# Altium PCB PROC114E3_BRD.PcbDoc (part 10 of 18)
Units mm, origin at the board's own origin, x right, y up, seen from the top; angles counter-clockwise.
Board outline 85 x 155.18 mm, 10 copper layers (TOP, L02_GND1, L03_SIG1, L04_GND2, L05_PWR1, L06_PWR2, L07_GND3, L08_SIG2, L09_GND4, BOTTOM), stack 1.134 mm thick; 1389 components, 1010 nets, 5137 pads, 3263 vias.
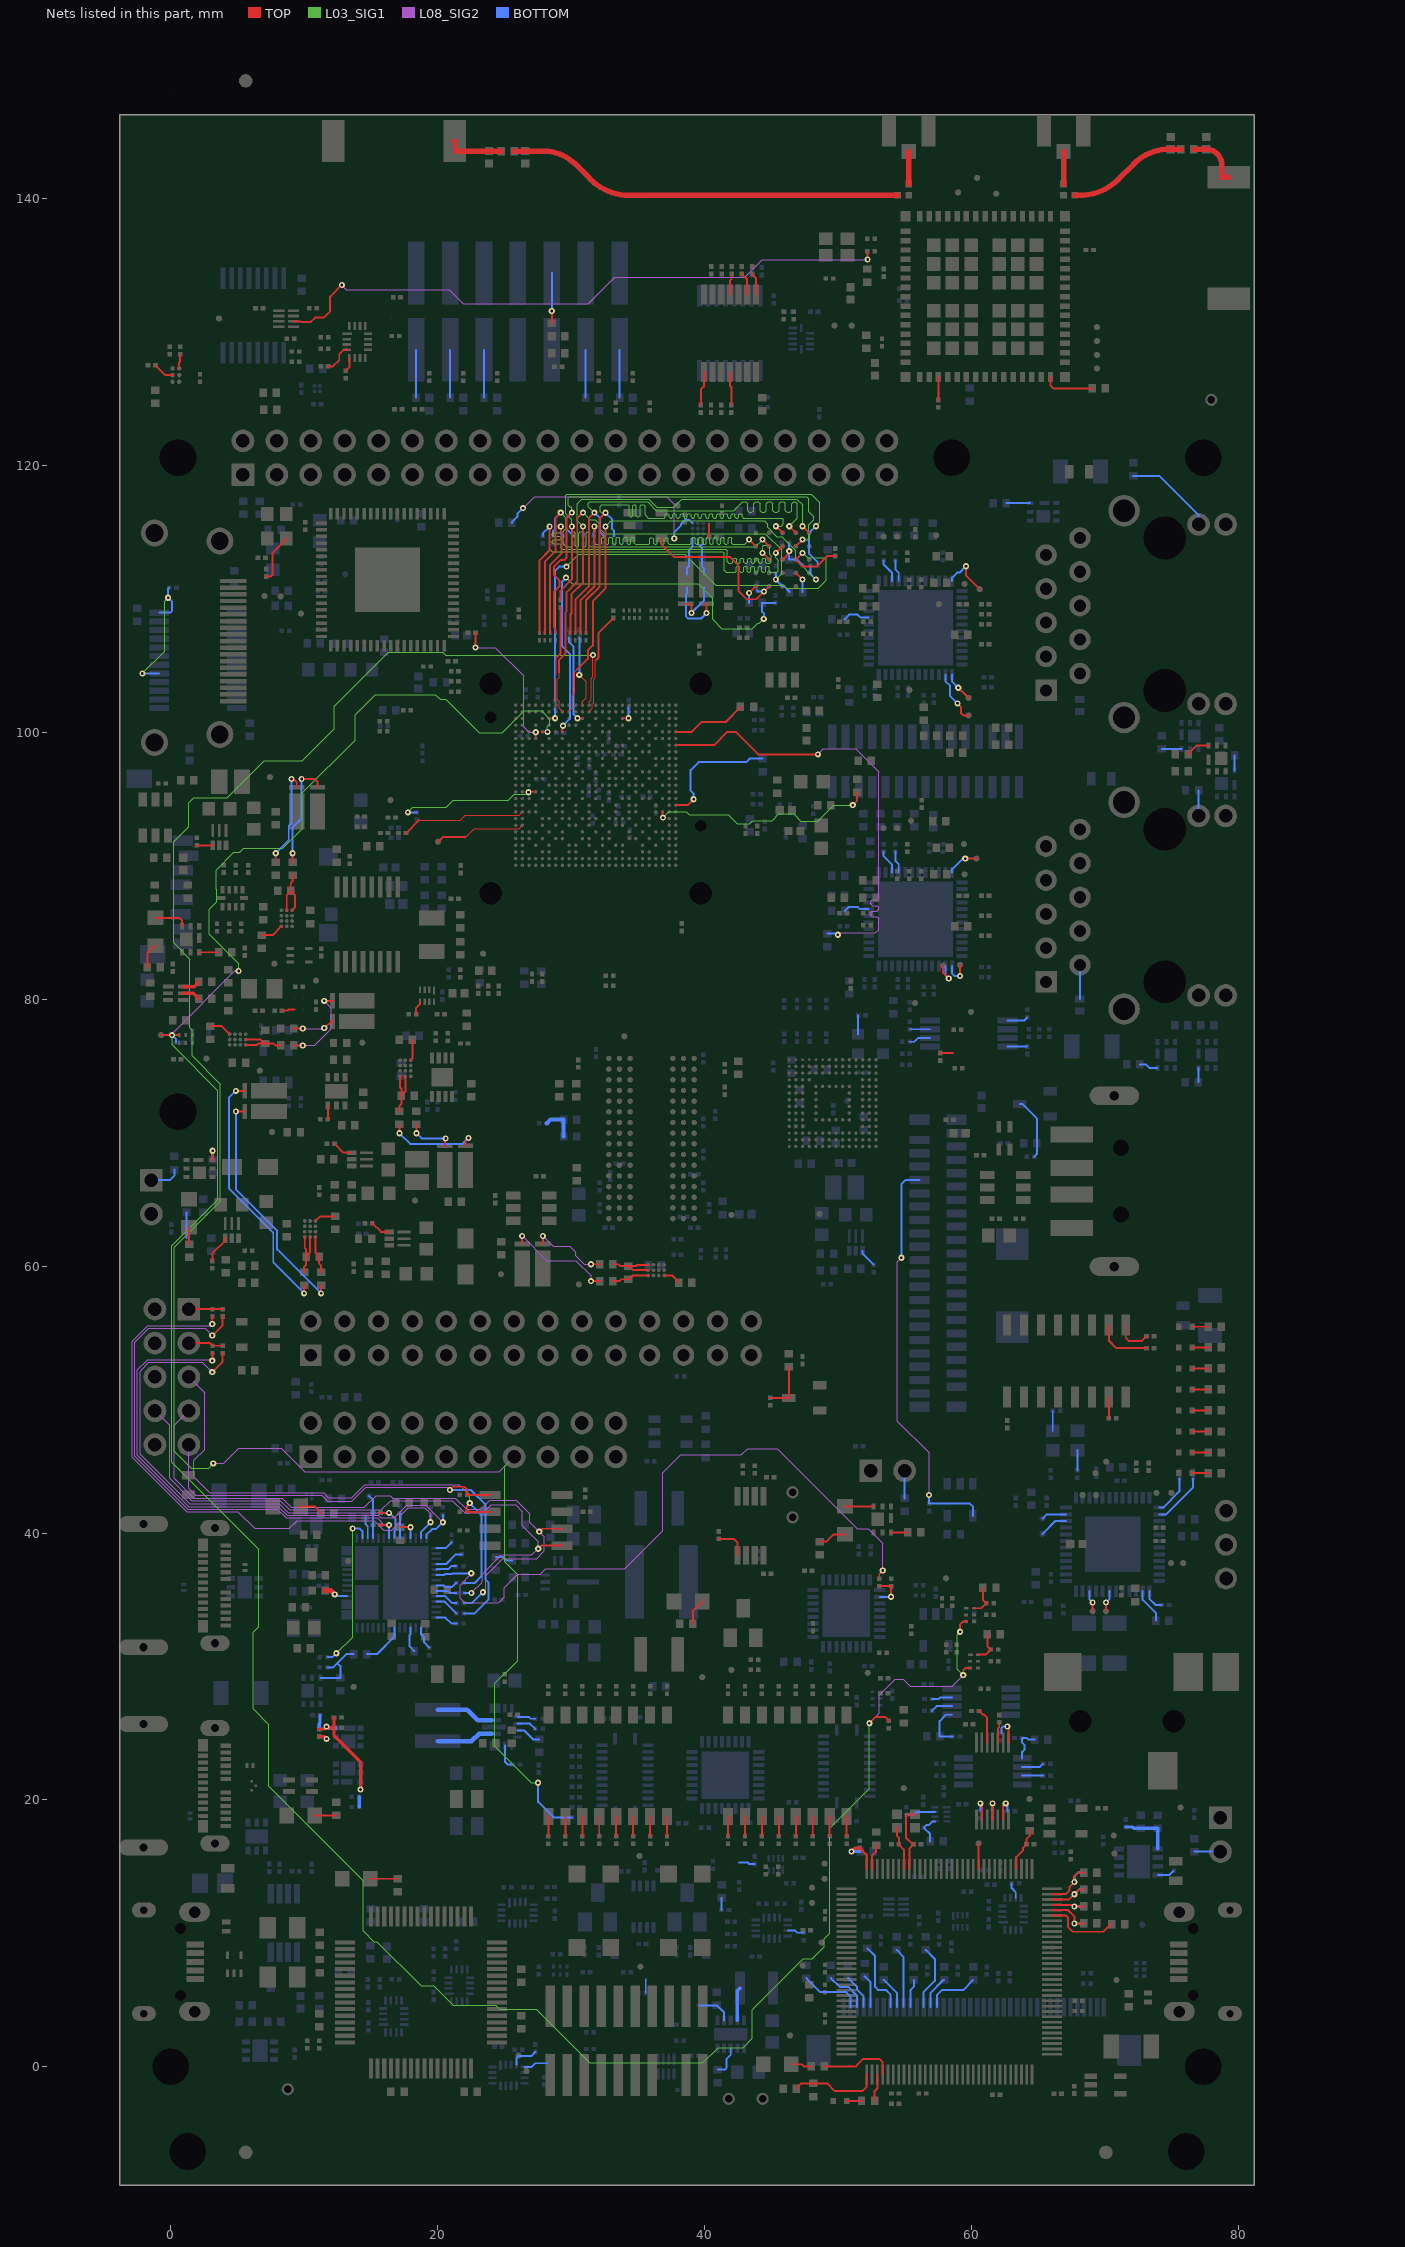
[diagram p18: the nets of this part, all layers, seen from the top]

## Via types
v1: diameter 0.457, hole 0.203, TOP to BOTTOM, 3263 vias

## Nets (pads, with @x,y where several pads share a name; then routed paths per layer and width w, separated by ;. In a path a pad name is that pad's centre, name@x,y a point inside that pad or via, vN(x,y) a via of type N, cw(c..) or ccw(c..) an arc to the next point about the centre after c; other vN are vias at no path point) (continued)
N16929744:  | length 1.6
  TOP w0.147: 70.101,34.137 v1(70.101,34.797)
  BOTTOM w0.147: v1(70.101,34.797) 70.351,35.047 70.351,35.651
N16929747:  | length 1.6
  TOP w0.147: 69.101,34.137 v1(69.101,34.797)
  BOTTOM w0.147: 68.851,35.651 68.851,35.047 v1(69.101,34.797)
N16929749:  | length 1.9
  BOTTOM w0.147: 65.343,41.082 65.662,41.401 67.1,41.401
N16929751:  | length 2.2
  BOTTOM w0.147: 65.343,39.939 66.305,40.902 67.1,40.902
N16931396:  | length 1.6
  TOP w0.147: -1.142,127.529 -0.392,126.779 0.14,126.779
N16931420:  | length 1.1
  TOP w0.147: 0.64,127.278 0.64,127.727 0.711,127.798 0.711,128.341
N16943223:  | length 1.7
  BOTTOM w0.147: 55.382,76.819 55.741,76.819 56.028,77.106 56.922,77.106
N16943354:  | length 1.5
  BOTTOM w0.147: 55.39,77.756 56.922,77.756
N16943356:  | length 1.5
  BOTTOM w0.147: 62.721,76.456 64.195,76.456
N16943358:  | length 1.6
  BOTTOM w0.147: 62.721,78.406 63.953,78.406 64.195,78.648
N16944070:  | length 34.9
  TOP w0.147: 37.86,99.045 40.73,99.045 41.721,100.035 42.352,100.035 44.029,98.359 v1(48.503,98.359)
  L08_SIG2 w0.091: v1(48.503,98.359) 48.918,98.774 51.349,98.774 53.054,97.069 53.054,87.569 52.931,87.446 52.577,87.446 52.455,87.323 52.455,87.149 52.577,87.027 52.931,87.027 53.054,86.904 53.054,86.73 52.931,86.608 52.577,86.608 52.455,86.485 52.455,86.311 52.577,86.189 52.931,86.189 53.054,86.066 53.054,85.212 52.818,84.977 50.139,84.977 v1(50.003,84.841)
  BOTTOM w0.147: 49.209,84.927 49.916,84.927 v1(50.003,84.841)
N16944341:  | length 5.6
  TOP w0.147: 37.86,100.045 39.046,100.045 39.792,100.791 41.618,100.791 42.704,101.877 42.704,101.915
N16944941:  | length 1.2
  TOP w0.147: 76.561,44.486 77.756,44.486
N16944943:  | length 1.2
  TOP w0.147: 76.561,46.035 77.756,46.035
N16944955:  | length 1.2
  TOP w0.147: 76.561,47.61 77.756,47.61
N16944965:  | length 1.2
  TOP w0.147: 76.561,49.185 77.756,49.185
N16944969:  | length 1.2
  TOP w0.147: 76.561,55.458 77.756,55.458
N16944978:  | length 1.2
  TOP w0.147: 76.561,53.909 77.756,53.909
N16944987:  | length 1.2
  TOP w0.147: 76.561,52.334 77.756,52.334
N16944997:  | length 1.2
  TOP w0.147: 76.561,50.759 77.756,50.759
N16945140:  | length 1.6
  TOP w0.147: 70.308,48.588 70.308,50.193
N16945144:  | length 4.2
  TOP w0.147: 70.308,55.593 70.308,54.43 70.88,53.858 73.127,53.858
N16945148:  | length 2.8
  TOP w0.147: 71.578,55.593 71.578,54.62 71.791,54.408 72.788,54.408 73.127,54.747
N16947096:  | length 1.4
  BOTTOM w0.147: 51.522,77.369 51.522,78.803
N16956470:  | length 7.5
  TOP w0.081: 28.86,102.045 28.86,102.314 28.826,102.348 28.826,103.637 28.827,104.058 28.86,104.092 28.86,104.332
  TOP w0.147: 28.86,104.332 28.86,105.568 29.228,105.936 29.228,109.366
N16960510:  | length 0.8
  BOTTOM w0.147: 43.352,109.706 43.357,109.711 v1(43.357,110.455)
N16960546:  | length 0.9
  BOTTOM w0.147: 47.357,110.518 v1(47.357,111.455)
N16990175:  | length 2.5
  BOTTOM w0.147: 56.937,4.464 56.937,5.523 57.919,6.505 57.959,6.505
N16990176:  | length 2.1
  BOTTOM w0.147: 55.437,4.464 55.437,5.75 55.699,6.012 55.699,6.505
N16990179:  | length 4.5
  BOTTOM w0.147: 54.403,8.755 54.937,8.222 54.937,4.464
N16990180:  | length 2.5
  BOTTOM w0.147: 53.438,6.505 54.437,5.507 54.437,4.464
N16990246:  | length 4.1
  BOTTOM w0.147: 57.437,4.464 57.437,5.388 57.799,5.751 59.389,5.751 60.144,6.505
N16990247:  | length 4.9
  BOTTOM w0.147: 56.437,4.464 56.437,5.607 57.266,6.436 57.266,8.077 56.588,8.755
N16990252:  | length 5.5
  BOTTOM w0.147: 52.219,8.882 52.8,8.301 52.8,5.98 53.045,5.735 53.635,5.735 53.937,5.433 53.937,4.464
N16994873:  | length 1.2
  BOTTOM w0.147: 42.6,15.317 43.254,15.317 43.381,15.19 43.771,15.19
N16994875:  | length 1.1
  BOTTOM w0.102: 35.616,5.497 35.616,6.598
N16995245:  | length 0.9
  BOTTOM w0.147: 41.283,11.745 41.283,12.666
N16997746:  | length 5.6
  TOP w0.147: 66.058,11.337 67.083,11.337 67.263,11.157 67.263,10.462 67.608,10.117 69.903,10.117 70.472,10.686 70.516,10.686
N17010152:  | length 2.6
  BOTTOM w0.305: 28.186,70.709 28.464,70.987 29.448,70.987 29.448,69.717
N17012627:  | length 1.4
  BOTTOM w0.147: 51.847,61.138 51.847,60.953 52.694,60.107
N17029933:  | length 1.7
  TOP w0.147: 9.738,41.996 10.783,41.996 11.246,41.534 11.246,41.488
N17030208:  | length 1.2
  BOTTOM w0.147: 63.031,13.752 63.031,13.396 63.333,13.094 63.333,12.64
N17030548:  | length 10.9
  TOP w0.102: v1(26.817,95.517) 26.845,95.545 27.361,95.545
  L03_SIG1 w0.091: v1(17.775,94.009) 18.162,94.395 20.646,94.395 21.161,94.91 25.307,94.91 25.759,95.362 26.662,95.362 v1(26.817,95.517)
  BOTTOM w0.147: v1(17.775,94.009) 17.783,94.016 18.454,94.016
N17031262:  | length 1.6
  TOP w0.147: 10.813,18.837 12.404,18.837
N17034231:  | length 1.3
  BOTTOM w0.147: 46.248,10.198 46.798,10.198 46.953,10.044 47.461,10.044
N17061892:  | length 1
  TOP w0.147: 11.775,71.005 11.775,72.053
N17078351:  | length 1.5
  TOP w0.147: 33.39,17.282 33.39,18.755
N17078353:  | length 1.5
  TOP w0.147: 34.66,17.282 34.66,18.755
N17078355:  | length 1.5
  TOP w0.147: 35.93,17.282 35.93,18.755
N17078357:  | length 1.5
  TOP w0.147: 37.2,17.282 37.2,18.755
N17078758:  | length 1.5
  TOP w0.147: 44.312,17.282 44.312,18.755
N17078760:  | length 1.5
  TOP w0.147: 45.582,17.282 45.582,18.755
N17078762:  | length 1.5
  TOP w0.147: 46.852,17.282 46.852,18.755
N17078764:  | length 1.5
  TOP w0.147: 48.122,17.282 48.122,18.755
N17078766:  | length 1.5
  TOP w0.147: 41.772,17.282 41.772,18.755
N17078768:  | length 1.5
  TOP w0.147: 43.042,17.282 43.042,18.755
N17078770:  | length 1.5
  TOP w0.147: 49.392,17.282 49.392,18.755
N17078778:  | length 1.5
  TOP w0.147: 50.662,17.282 50.662,18.755
N17078974:  | length 2
  BOTTOM w0.147: 76.72,16.119 78.675,16.119
N17084256:  | length 1.5
  TOP w0.147: 28.31,17.282 28.31,18.755
N17084257:  | length 1.5
  TOP w0.147: 29.58,17.282 29.58,18.755
N17084258:  | length 1.5
  TOP w0.147: 30.85,17.282 30.85,18.755
N17084259:  | length 1.5
  TOP w0.147: 32.12,17.282 32.12,18.755
N17090227:  | length 1.2
  TOP w0.147: 1.97,91.541 3.146,91.541
N17105648:  | length 2.4
  TOP w0.147: v1(59.549,90.54) 60.389,90.54
  BOTTOM w0.147: 58.567,89.503 58.567,89.757 59.349,90.54 v1(59.549,90.54)
N17118493:  | length 1.3
  TOP w0.254: 0.945,80.952 1.751,80.952 2.115,81.316
N17118509:  | length 1.3
  TOP w0.254: 0.945,80.452 1.708,80.452 2.115,80.046
N17120231:  | length 1.6
  TOP w0.147: 12.283,69.174 12.951,68.506 13.567,68.506
N17121283:  | length 1.6
  TOP w0.147: 15.102,63.231 15.771,62.562 16.387,62.562
N17133547:  | length 2.6
  BOTTOM w0.147: 68.147,80.013 68.147,82.574
N17137240:  | length 1.9
  BOTTOM w0.147: 77.037,93.744 77.037,95.657
N17140854:  | length 1
  TOP w0.147: 57.668,75.968 58.641,75.968
N17141059:  | length 1
  TOP w0.147: 40.356,114.629 40.356,115.658
N17149287:  | length 6.8
  BOTTOM w0.147: 72.126,119.228 74.09,119.228 77.037,116.281 77.037,115.588
N17153379:  | length 8.1
  TOP w0.147: 26.341,61.654 v1(26.341,62.264) ; v1(31.508,58.874) 32.168,58.874
  L08_SIG2 w0.091: v1(26.341,62.264) 28.193,60.411 30.367,60.411 31.508,59.27 v1(31.508,58.874)
N17153381:  | length 5.9
  TOP w0.147: 27.891,61.654 v1(27.891,62.264) ; v1(31.508,60.144) 32.168,60.144
  L08_SIG2 w0.091: v1(27.891,62.264) 28.676,61.478 29.91,61.478 30.347,61.041 30.347,60.789 30.992,60.144 v1(31.508,60.144)
N17153415:  | length 17.6
  TOP w0.147: v1(4.882,71.591) 5.56,71.591 ; v1(11.276,57.964) 11.276,58.573
  BOTTOM w0.147: v1(4.882,71.591) 4.882,65.76 7.984,62.659 7.984,61.256 v1(11.276,57.964)
N17153417:  | length 19
  TOP w0.147: v1(4.882,73.141) 5.56,73.141 ; v1(10.006,57.964) 10.006,58.573
  BOTTOM w0.147: v1(4.882,73.141) 4.359,72.618 4.359,65.842 7.689,62.512 7.689,60.281 v1(10.006,57.964)
N17153507:  | length 4.7
  TOP w0.147: v1(40.159,108.951) 40.159,109.638
  BOTTOM w0.147: 38.688,110.869 38.688,110.415 38.608,110.335 38.608,108.712 38.781,108.539 39.747,108.539 v1(40.159,108.951)
N17153509:  | length 3.3
  TOP w0.147: 38.609,109.638 38.881,109.638 39.028,109.491 v1(39.028,108.951)
  BOTTOM w0.147: v1(39.028,108.951) 39.958,109.88 39.958,110.869
N17153511:  | length 3.4
  BOTTOM w0.147: 39.514,114.484 39.514,114.156 39.699,113.971 ; 39.914,114.484 39.914,114.186 39.699,113.971 ; 39.958,111.849 39.958,112.304 39.813,112.449 39.813,113.01 39.813,113.857 39.699,113.971
N17153515:  | length 2.8
  BOTTOM w0.147: 38.688,111.849 38.688,112.304 38.833,112.449 38.833,113.01 38.833,113.636 39.116,113.919 39.116,114.482 39.114,114.484
N17153617:  | length 7.6
  TOP w0.147: 7.875,90.284 v1(7.875,90.944) ; v1(9.056,96.506) 9.207,96.506 9.45,96.264 9.45,95.897
  BOTTOM w0.147: v1(7.875,90.944) 8.85,91.92 8.85,92.999 9.056,93.205 v1(9.056,96.506)
N17153619:  | length 8.2
  TOP w0.147: 9.145,90.284 v1(9.145,90.944) ; v1(9.818,96.506) 10.808,96.506 11,96.314 11,95.897
  BOTTOM w0.147: v1(9.145,90.944) 9.145,92.877 9.818,93.55 v1(9.818,96.506)
N17153623:  | length 3.1
  TOP w0.147: 9.237,77.811 v1(9.898,77.811) ; v1(11.512,77.856) 11.54,77.856 12.018,78.334 12.121,78.334
  L08_SIG2 w0.091: v1(9.898,77.811) 11.466,77.811 v1(11.512,77.856)
N17153625:  | length 6.2
  TOP w0.147: 9.237,76.541 v1(9.898,76.541) ; v1(11.512,79.884) 12.121,79.884
  L08_SIG2 w0.091: v1(9.898,76.541) 10.784,76.541 12.054,77.81 12.054,79.342 v1(11.512,79.884)
N17153667:  | length 3.6
  TOP w0.147: v1(18.417,69.96) 18.417,70.62 ; 20.55,69.02 20.55,69.511 v1(20.611,69.572)
  BOTTOM w0.147: v1(18.417,69.96) 18.805,69.572 v1(20.611,69.572)
N17153669:  | length 7
  TOP w0.147: v1(17.147,69.96) 17.147,70.62 ; 22.1,69.02 22.1,69.396 v1(22.314,69.611)
  BOTTOM w0.147: v1(17.147,69.96) 17.938,69.168 21.871,69.168 v1(22.314,69.611)
N17153681:  | length 2.8
  TOP w0.147: 33.148,58.874 33.632,58.874 33.777,59.019 34.309,59.019 34.352,59.019 34.633,59.3 35.784,59.3
N17153685:  | length 4.3
  TOP w0.147: 33.148,60.144 33.55,60.144 33.7,59.993 33.706,59.999 34.309,59.999 34.355,59.999 ; 35.784,59.7 34.654,59.7 34.355,59.999 ; 35.784,60.1 34.95,60.1 34.849,59.999 34.355,59.999
N17153701:  | length 4.3
  TOP w0.147: 10.006,59.553 10.006,59.955 10.157,60.106 10.151,60.111 10.151,60.714 10.151,60.76 ; 10.05,62.189 10.05,61.355 10.151,61.254 10.151,60.76 ; 10.45,62.189 10.45,61.059 10.151,60.76
N17153703:  | length 2.8
  TOP w0.147: 10.85,62.189 10.85,61.038 11.131,60.757 11.131,60.714 11.131,60.182 11.276,60.037 11.276,59.553
N17153749:  | length 4.5
  TOP w0.147: 8.701,86.669 8.701,87.798 9,88.097 9,88.143 ; 9.101,86.669 9.336,86.904 9.336,87.807 9,88.143 ; 9.145,89.304 9.145,88.846 9,88.701 9,88.143
N17153787:  | length 4.3
  TOP w0.147: 5.622,76.585 6.455,76.585 6.557,76.686 7.051,76.686 ; 5.622,76.985 6.752,76.985 7.051,76.686 ; 8.258,76.541 7.856,76.541 7.705,76.692 7.7,76.686 7.097,76.686 7.051,76.686
N17153799:  | length 4.3
  TOP w0.147: 17.147,71.6 17.147,72.001 17.298,72.152 17.292,72.158 17.292,72.761 17.292,72.807 ; 17.191,74.235 17.191,73.402 17.292,73.301 17.292,72.807 ; 17.591,74.235 17.591,73.106 17.292,72.807
N17153878:  | length 1.6
  TOP w0.147: 10.85,63.388 11.194,63.732 12.324,63.732
N17153949:  | length 1.7
  TOP w0.147: 6.836,84.815 7.647,84.815 8.301,85.469
N17153951:  | length 1.7
  TOP w0.147: 2.968,77.987 3.82,77.987 4.422,77.385
N17154063:  | length 1.6
  TOP w0.147: 17.991,75.435 18.11,75.555 18.11,76.967
N17167245:  | length 2
  BOTTOM w0.147: 50.509,86.625 50.8,86.915 51.507,86.915 51.669,86.753 52.316,86.753
N17167691:  | length 2.1
  BOTTOM w0.147: 50.509,108.469 50.509,108.494 50.839,108.824 51.474,108.824 51.701,108.597 52.316,108.597
N17253649:  | length 2.5
  BOTTOM w0.254: 42.475,3.473 42.475,5.697 42.68,5.903
N17253673:  | length 2.7
  BOTTOM w0.147: 39.638,4.599 40.942,4.599 41.475,4.066 41.475,3.473
N17253694:  | length 2.3
  BOTTOM w0.147: 41.01,-0.211 41.55,-0.211 41.67,-0.091 41.67,0.594 41.975,0.899 41.975,1.373
N17269599:  | length 2.4
  TOP w0.147: 60.192,34.362 60.743,34.362 61.132,34.751 60.875,35.008 60.875,35.894
N17277957:  | length 1.3
  BOTTOM w0.147: 24.373,38.204 24.906,38.204 25.153,37.958 25.584,37.958
N17285208:  | length 10.7
  L03_SIG1 w0.091: v1(-2.12,104.421) -0.443,106.098 -0.443,109.84 v1(-0.189,110.094)
  BOTTOM w0.147: v1(-2.12,104.421) -0.855,104.421 ; -0.855,108.972 -0.041,108.972 0.116,109.129 0.116,109.789 v1(-0.189,110.094) -0.189,110.78 -0.114,110.856
N17337952:  | length 1
  TOP w0.147: 8.352,79.155 8.756,79.155 8.839,79.238 9.292,79.238
N17370891:  | length 1.6
  BOTTOM w0.147: 14.59,41.187 14.59,40.695 14.77,40.514 14.77,39.615
N17378539:  | length 2.1
  TOP w0.147: 14.949,14.089 17.009,14.089
N17395932:  | length 9.4
  TOP w0.081: 18.603,93.42 21.72,93.42 22.095,93.795 26.11,93.795 26.36,94.045
  TOP w0.147: 17.642,92.46 18.603,93.42
N17434691:  | length 3.8
  TOP w0.147: v1(59.602,112.456) 59.602,111.767 60.633,110.736
  BOTTOM w0.147: 58.567,111.347 58.567,111.598 58.942,111.973 59.12,111.973 v1(59.602,112.456)
N17473283:  | length 2.4
  TOP w0.147: 60.521,30.882 61.072,30.882 61.461,31.271 61.204,31.528 61.204,32.414
N17479799:  | length 1.3
  BOTTOM w0.147: 73.981,14.377 74.858,14.377 75.173,14.691
N17479805:  | length 4
  BOTTOM w0.254: 71.568,17.967 72.08,17.967 72.163,17.884 72.711,17.884 73.981,17.884 73.981,16.327
N17479881:  | length 3.3
  TOP w0.147: 63.358,14.837 63.358,15.707 63.885,16.234 63.885,16.409 64.148,16.673 64.148,17.078 64.387,17.317 64.387,17.696
N17481587:  | length 1.6
  TOP w0.147: 46.511,0.187 47.309,0.187 47.46,0.036 48.013,0.036
N17481598:  | length 3.2
  TOP w0.203: 51.652,16.386 52.158,15.88 52.158,14.837
  TOP w0.254: v1(51.017,16.139) 51.264,16.386 51.652,16.386
  BOTTOM w0.254: v1(51.017,16.139) 51.678,16.139
N17481613:  | length 1.9
  TOP w0.147: 52.558,14.837 52.558,15.8 52.871,16.114 52.871,16.614
N17481619:  | length 6.7
  TOP w0.147: 46.884,-1.633 47.265,-1.252 48.172,-1.252 49.206,-1.252 49.773,-1.819 51.83,-1.819 52.158,-1.491 52.158,-0.563
N17481621:  | length 3.8
  TOP w0.147: 66.058,11.737 67.25,11.737 67.723,11.265 v1(67.723,10.744) 68.434,10.744
  BOTTOM w0.147: v1(67.723,10.744) 68.434,10.744
N17481627:  | length 2.1
  TOP w0.147: 52.756,-2.556 52.756,-1.833 52.958,-1.631 52.958,-0.563
N17481631:  | length 1.1
  TOP w0.147: 50.661,-2.556 51.776,-2.556
N17481633:  | length 4.7
  TOP w0.147: 66.058,12.937 67.094,12.937 67.349,13.193 67.349,13.469 v1(67.723,13.843) 67.723,14.275 68.002,14.554 68.434,14.554
  BOTTOM w0.147: v1(67.723,13.843) 67.723,14.278 68,14.554 68.434,14.554
N17481635:  | length 3.1
  TOP w0.147: 66.058,12.137 67.6,12.137 v1(67.723,12.014) 68.434,12.014
  BOTTOM w0.147: v1(67.723,12.014) 68.434,12.014
N17481637:  | length 5.6
  TOP w0.147: 48.993,0.036 51.347,0.036 51.881,0.569 53.125,0.569 53.358,0.337 53.358,-0.563
N17481641:  | length 3.5
  TOP w0.147: 66.058,12.537 67.332,12.537 v1(67.723,12.929) 68.079,13.284 68.434,13.284
  BOTTOM w0.147: v1(67.723,12.929) 68.079,13.284 68.434,13.284
N17492093:  | length 1
  TOP w0.147: 18.403,78.883 18.403,79.36 18.684,79.641 18.684,79.812
N17492111:  | length 2.3
  BOTTOM w0.147: -1.448,66.448 -0.061,66.448 0.278,66.787 0.278,67.242
N17498937:  | length 4
  BOTTOM w0.147: 74.101,41.401 74.603,41.401 76.62,43.419 76.62,44.104
N17498940:  | length 3
  BOTTOM w0.147: 74.101,41.902 74.392,41.902 75.604,43.114 75.604,44.104
N17653582:  | length 1.1
  BOTTOM w0.147: 79.73,97.137 79.73,98.28
N17654451:  | length 1.8
  BOTTOM w0.147: 62.634,117.185 64.417,117.185
N17726648:  | length 3.7
  TOP w0.147: 44.948,50.13 46.338,50.13 46.338,52.456
N17796705:  | length 1.4
  BOTTOM w0.147: 72.637,75.116 73.091,75.116 73.351,74.856 73.967,74.856
N17796716:  | length 1.1
  BOTTOM w0.147: 77.015,73.799 77.015,74.856
N17799775:  | length 1.8
  TOP w0.147: 76.275,98.376 76.275,98.414 76.884,99.023 77.769,99.023
N17800599:  | length 1.5
  BOTTOM w0.147: 74.288,98.761 75.742,98.761
N17824845:  | length 1.7
  BOTTOM w0.147: 19.92,36.065 20.497,36.065 20.601,35.961 21.103,35.961 21.413,36.271
N17824852:  | length 1.6
  BOTTOM w0.147: 19.92,35.665 20.766,35.665 20.922,35.509 21.413,35.509
N17824859:  | length 1.7
  BOTTOM w0.147: 19.92,35.265 20.576,35.265 21.094,34.747 21.413,34.747
N17824866:  | length 1.9
  BOTTOM w0.147: 19.92,34.865 20.533,34.865 21.413,33.985
N17827086:  | length 2.5
  TOP w0.147: 1.36,56.779 3.138,56.779 3.9,56.779
N17827089:  | length 2.6
  TOP w0.147: 1.36,54.239 2.935,54.239 3.138,54.036 3.9,54.036
N17849698:  | length 0.6
  TOP w0.254: 11.139,24.749 11.51,24.749 v1(11.685,24.573)
N17850096:  | length 10
  TOP w0.254: 11.139,25.309 11.506,25.309 v1(11.685,25.488) 11.763,25.41 12.244,25.41 ; 12.244,26.172 12.244,25.41 ; v1(14.233,20.784) 14.233,22.824 12.244,24.813 12.244,25.41
  BOTTOM w0.254: 11.139,25.309 11.139,25.715 11.191,25.767 11.191,26.337 ; v1(11.685,25.488) 11.812,25.361 12.388,25.361 ; 14.124,19.467 14.124,20.229
N17935978:  | length 5.1
  BOTTOM w0.147: 11.242,29.15 12.727,29.15 12.727,30.022 12.497,30.251 ; 11.737,29.93 12.176,29.93 12.497,30.251 ; 13.719,30.928 13.174,30.928 12.497,30.251
N17936309: 
N17985944:  | length 2.4
  TOP w0.406: 55.317,141.097 55.317,143.532
N17991965:  | length 2.4
  TOP w0.406: 66.922,141.097 66.922,143.532
N18121816:  | length 3.6
  BOTTOM w0.147: 18.404,125.099 18.404,128.681
N18121892:  | length 3.6
  BOTTOM w0.147: 20.944,125.099 20.944,128.681
N18121904:  | length 3.6
  BOTTOM w0.147: 23.484,125.099 23.484,128.681
N18121916:  | length 3.8
  TOP w0.147: 28.564,130.672 v1(28.564,131.586)
  BOTTOM w0.147: v1(28.564,131.586) 28.564,134.431
N18121928:  | length 3.6
  BOTTOM w0.147: 31.104,125.099 31.104,128.681
N18121940:  | length 3.6
  BOTTOM w0.147: 33.644,125.099 33.644,128.681
N18374561:  | length 1.9
  TOP w0.147: 60.558,14.837 60.558,16.741
N18374804:  | length 2.5
  BOTTOM w0.147: 52.016,6.759 52.041,6.759 52.437,6.363 52.437,4.464
N18374807:  | length 2.7
  BOTTOM w0.147: 50.746,6.638 50.79,6.638 51.424,6.005 51.424,5.801 51.937,5.288 51.937,4.464
N18374810:  | length 3.4
  BOTTOM w0.147: 49.476,6.638 50.135,5.979 50.789,5.979 51.437,5.331 51.437,4.464
N18374813:  | length 4.7
  BOTTOM w0.147: 47.647,6.638 48.687,5.598 50.636,5.598 50.937,5.298 50.937,4.464
N18516151:  | length 1.3
  TOP w0.147: 36.983,59.3 37.575,59.3 38.081,58.794 38.081,58.76
N18520654:  | length 18.3
  L08_SIG2 w0.091: v1(26.411,116.81) 27.281,117.679 37.167,117.679 37.74,117.106 v1(37.74,114.528)
  BOTTOM w0.147: 25.575,115.708 25.575,115.746 25.978,116.149 25.978,116.377 v1(26.411,116.81) ; v1(37.74,114.528) 37.74,114.993 38.239,115.492 38.239,115.616 38.53,115.907 38.891,115.907 39.114,115.684
N18571509:  | length 1.8
  BOTTOM w0.147: 26.512,-0.025 27.04,-0.025 27.329,0.264 28.233,0.264
N18571515:  | length 2.1
  BOTTOM w0.147: 25.912,0.175 25.912,0.65 26.06,0.798 27.014,0.798 27.332,1.115
N18576337:  | length 1.8
  BOTTOM w0.147: 53.43,91.06 53.43,90.732 54.066,90.095 54.066,89.503
N18576340:  | length 1.7
  BOTTOM w0.147: 54.319,91.06 54.319,90.384 54.567,90.136 54.567,89.503
N18576730:  | length 1.8
  BOTTOM w0.147: 53.43,112.904 53.43,112.584 54.066,111.948 54.066,111.347
N18576733:  | length 1.7
  BOTTOM w0.147: 54.319,112.904 54.319,112.228 54.567,111.98 54.567,111.347
N18736007:  | length 2.6
  BOTTOM w0.147: 72.851,35.651 72.851,34.997 73.838,34.01 73.838,33.433
N18736028:  | length 1.7
  BOTTOM w0.147: 73.351,35.651 73.351,35.081 73.826,34.605 74.258,34.605
N18743976:  | length 1.7
  BOTTOM w0.147: 19.92,33.665 20.588,33.665 21.03,33.223 21.413,33.223
N18904630:  | length 2.5
  TOP w0.147: -1.132,86.105 0.661,86.105 0.842,85.924 0.842,85.475
N18904632:  | length 1.5
  TOP w0.147: 2.142,83.525 3.608,83.525
N18904656:  | length 1.9
  TOP w0.147: -1.745,82.392 -1.745,83.443 -1.182,84.005 -1.132,84.005
N18904815:  | length 2.1
  TOP w0.147: 50.535,42.001 52.684,42.001
N18904817:  | length 1.3
  TOP w0.147: 53.984,40.051 55.24,40.051
N18904841:  | length 2.1
  TOP w0.147: 48.642,39.355 49.135,39.355 49.681,39.901 50.535,39.901
N18968923:  | length 47.4
  TOP w0.147: 9.202,130.813 9.764,130.813 9.811,130.766 10.509,130.766 10.831,131.087 11.457,131.087 11.952,131.582 11.952,132.657 v1(12.832,133.537) ; 52.21,136.053 52.21,135.47 v1(52.238,135.442)

## Text inside footprints (layer, text, board x,y; h text height)
U73: PIN_NUMBER "13" at 50.933,25.537 h0.25 r270; PIN_NUMBER "12" at 49.409,25.537 h0.25 r270; PIN_NUMBER "25" at 50.458,22.515 h0.25 r270; PIN_NUMBER "11" at 48.393,24.902 h0.25 r270; PIN_NUMBER "24" at 50.836,20.247 h0.25 r270; PIN_NUMBER "23" at 51.87,20.451 h0.25 r270; PIN_NUMBER "1" at 49.539,19.993 h0.25 r270; PIN_NUMBER "17" at 51.87,23.451 h0.25 r270; PIN_NUMBER "15" at 51.87,24.451 h0.25 r270; PIN_NUMBER "22" at 51.87,20.951 h0.25 r270; PIN_NUMBER "18" at 51.87,22.951 h0.25 r270; PIN_NUMBER "19" at 51.87,22.451 h0.25 r270; PIN_NUMBER "9" at 48.547,23.909 h0.25 r270; PIN_NUMBER "8" at 48.547,23.408 h0.25 r270; PIN_NUMBER "4" at 48.547,21.408 h0.25 r270; PIN_NUMBER "16" at 51.87,23.951 h0.25 r270; PIN_NUMBER "20" at 51.87,21.951 h0.25 r270; PIN_NUMBER "10" at 48.393,24.394 h0.25 r270; PIN_NUMBER "3" at 48.547,20.909 h0.25 r270; PIN_NUMBER "21" at 51.87,21.451 h0.25 r270; PIN_NUMBER "5" at 48.547,21.909 h0.25 r270; PIN_NUMBER "2" at 48.547,20.408 h0.25 r270; PIN_NUMBER "6" at 48.547,22.408 h0.25 r270; PIN_NUMBER "7" at 48.547,22.909 h0.25 r270; PIN_NUMBER "14" at 51.87,24.951 h0.25 r270; DISPLAY_BOTTOM "14" at 84.486,21.499 h0.64 r270; Bottom Overlay "14" at 53.443,25.107 h0.51 r270; Bottom Overlay "11" at 47.893,24.614 h0.51; Bottom Overlay "2" at 47.855,20.119 h0.51; Bottom Overlay "24" at 52.744,18.061 h0.51
U74: PIN_NUMBER "25" at 43.242,19.354 h0.25 r90; PIN_NUMBER "33" at 41.365,21.981 h0.25 r180; PIN_NUMBER "29" at 41.242,19.354 h0.25 r90; PIN_NUMBER "27" at 42.242,19.354 h0.25 r90; PIN_NUMBER "31" at 40.242,19.354 h0.25 r90; PIN_NUMBER "30" at 40.742,19.354 h0.25 r90; PIN_NUMBER "5" at 38.967,22.231 h0.25 r180; PIN_NUMBER "10" at 40.242,24.354 h0.25 r90; PIN_NUMBER "11" at 40.742,24.354 h0.25 r90; PIN_NUMBER "15" at 42.742,24.354 h0.25 r90; PIN_NUMBER "8" at 38.967,23.731 h0.25 r180; PIN_NUMBER "9" at 39.844,24.354 h0.25 r90; PIN_NUMBER "4" at 38.967,21.731 h0.25 r180; PIN_NUMBER "3" at 38.967,21.231 h0.25 r180; PIN_NUMBER "32" at 39.742,19.354 h0.25 r90; PIN_NUMBER "16" at 43.242,24.354 h0.25 r90; PIN_NUMBER "7" at 38.967,23.231 h0.25 r180; PIN_NUMBER "14" at 42.242,24.354 h0.25 r90; PIN_NUMBER "13" at 41.742,24.354 h0.25 r90; PIN_NUMBER "26" at 42.742,19.354 h0.25 r90; PIN_NUMBER "12" at 41.242,24.354 h0.25 r90; PIN_NUMBER "1" at 38.967,20.231 h0.25 r180; PIN_NUMBER "6" at 38.967,22.731 h0.25 r180; PIN_NUMBER "2" at 38.967,20.731 h0.25 r180; PIN_NUMBER "28" at 41.742,19.354 h0.25 r90; PIN_NUMBER "24" at 43.865,20.231 h0.25 r180; PIN_NUMBER "23" at 43.865,20.731 h0.25 r180; PIN_NUMBER "22" at 43.865,21.231 h0.25 r180; PIN_NUMBER "21" at 43.865,21.731 h0.25 r180; PIN_NUMBER "20" at 43.865,22.231 h0.25 r180; PIN_NUMBER "19" at 43.865,22.731 h0.25 r180; PIN_NUMBER "18" at 43.865,23.231 h0.25 r180; PIN_NUMBER "17" at 43.865,23.731 h0.25 r180; Bottom Overlay "32" at 38.647,18.891 h0.51; Bottom Overlay "25" at 44.743,18.357 h0.51; Bottom Overlay "24" at 45.455,19.78 h0.51; Bottom Overlay "17" at 45.404,23.336 h0.51; Bottom Overlay "16" at 43.202,24.928 h0.51 r270; Bottom Overlay "9" at 40.006,25.063 h0.51; Bottom Overlay "8" at 38.355,23.387 h0.51
U75: PIN_NUMBER "12" at 34.49,18.832 h0.25 r90; PIN_NUMBER "13" at 32.966,18.832 h0.25 r90; PIN_NUMBER "25" at 33.847,21.854 h0.25 r90; PIN_NUMBER "11" at 35.506,19.467 h0.25 r90; PIN_NUMBER "23" at 32.029,23.918 h0.25 r90; PIN_NUMBER "24" at 33.063,24.122 h0.25 r90; PIN_NUMBER "1" at 34.766,24.376 h0.25 r90; PIN_NUMBER "14" at 32.029,19.418 h0.25 r90; PIN_NUMBER "22" at 32.029,23.418 h0.25 r90; PIN_NUMBER "6" at 35.758,21.96 h0.25 r90; PIN_NUMBER "18" at 32.029,21.418 h0.25 r90; PIN_NUMBER "3" at 35.758,23.46 h0.25 r90; PIN_NUMBER "15" at 32.029,19.918 h0.25 r90; PIN_NUMBER "7" at 35.758,21.46 h0.25 r90; PIN_NUMBER "8" at 35.758,20.96 h0.25 r90; PIN_NUMBER "4" at 35.758,22.96 h0.25 r90; PIN_NUMBER "20" at 32.029,22.418 h0.25 r90; PIN_NUMBER "2" at 35.758,23.96 h0.25 r90; PIN_NUMBER "19" at 32.029,21.918 h0.25 r90; PIN_NUMBER "16" at 32.029,20.418 h0.25 r90; PIN_NUMBER "21" at 32.029,22.918 h0.25 r90; PIN_NUMBER "10" at 35.506,19.975 h0.25 r90; PIN_NUMBER "5" at 35.758,22.46 h0.25 r90; PIN_NUMBER "17" at 32.029,20.918 h0.25 r90; PIN_NUMBER "9" at 35.758,20.46 h0.25 r90; Bottom Overlay "23" at 30.861,24.74 h0.51 r270; Bottom Overlay "14" at 31.688,17.375 h0.51; Bottom Overlay "11" at 37.606,19.229 h0.51; Bottom Overlay "2" at 37.288,23.827 h0.51; Bottom Overlay "24" at 31.789,25.783 h0.51
U76: PIN_NUMBER "15" at 25.218,26.866 h0.25 r270; PIN_NUMBER "4" at 25.872,24.588 h0.25; PIN_NUMBER "10" at 24.021,25.339 h0.25; PIN_NUMBER "7" at 24.197,23.938 h0.25; PIN_NUMBER "12" at 24.095,26.739 h0.25; PIN_NUMBER "14" at 24.719,26.866 h0.25 r270; PIN_NUMBER "5" at 25.32,24.065 h0.25 r270; PIN_NUMBER "9" at 23.947,24.839 h0.25; PIN_NUMBER "11" at 23.846,25.838 h0.25; PIN_NUMBER "1" at 25.872,26.089 h0.25; PIN_NUMBER "3" at 25.872,25.089 h0.25; PIN_NUMBER "6" at 24.82,24.065 h0.25 r270; PIN_NUMBER "2" at 25.872,25.588 h0.25; DISPLAY_BOTTOM "7" at 24.447,22.796 h0.64; DISPLAY_BOTTOM "15" at 25.717,27.026 h0.64 r270; DISPLAY_BOTTOM "11" at 22.669,27.28 h0.64 r270; DISPLAY_BOTTOM "9" at 23.236,24.64 h0.64; DISPLAY_BOTTOM "4" at 26.987,24.194 h0.64
U77: PIN_NUMBER "1" at 67.243,17.995 h0.25 r270; PIN_NUMBER "3" at 66.887,18.478 h0.25 r270; PIN_NUMBER "5" at 67.229,18.766 h0.25 r270; PIN_NUMBER "4" at 66.749,18.766 h0.25 r270; PIN_NUMBER "2" at 66.749,17.987 h0.25 r270; Bottom Overlay "5" at 68.48,18.764 h0.51; Bottom Overlay "2" at 66.143,17.367 h0.51
U78: PIN_NUMBER "1" at 6.876,16.209 h0.25 r270; PIN_NUMBER "2" at 6.226,16.209 h0.25 r270; PIN_NUMBER "3" at 5.576,16.209 h0.25 r270; PIN_NUMBER "7" at 6.226,17.259 h0.25 r270; PIN_NUMBER "4" at 5.576,18.309 h0.25 r270; PIN_NUMBER "5" at 6.226,18.309 h0.25 r270; PIN_NUMBER "6" at 6.876,18.309 h0.25 r270; Bottom Overlay "6" at 8.179,18.502 h0.64; Bottom Overlay "4" at 6.121,18.832 h0.64; Bottom Overlay "3" at 5.512,15.331 h0.64
U79: PIN_NUMBER "6" at 73.879,15.804 h0.25 r180; PIN_NUMBER "9" at 72.429,15.479 h0.25 r180; PIN_NUMBER "3" at 70.979,15.804 h0.25 r180; PIN_NUMBER "4" at 70.979,16.454 h0.25 r180; PIN_NUMBER "1" at 70.979,14.504 h0.25 r180; PIN_NUMBER "2" at 70.979,15.154 h0.25 r180; PIN_NUMBER "7" at 73.879,15.154 h0.25 r180; PIN_NUMBER "8" at 73.879,14.504 h0.25 r180; PIN_NUMBER "5" at 73.879,16.454 h0.25 r180; Bottom Overlay "8" at 75.007,13.709 h0.51; Bottom Overlay "5" at 74.88,16.148 h0.51; Bottom Overlay "4" at 70.232,15.767 h0.51
U80: PIN_NUMBER "4" at 44.495,14.813 h0.25 r270; PIN_NUMBER "1" at 45.546,14.863 h0.25 r270; PIN_NUMBER "8" at 45.546,15.713 h0.25 r270; PIN_NUMBER "5" at 44.495,15.713 h0.25 r270; PIN_NUMBER "7" at 45.195,15.713 h0.25 r270; PIN_NUMBER "3" at 44.845,14.813 h0.25 r270; PIN_NUMBER "2" at 45.195,14.813 h0.25 r270; PIN_NUMBER "6" at 44.845,15.713 h0.25 r270; Bottom Overlay "8" at 46.026,16.046 h0.51; Bottom Overlay "5" at 44.959,16.046 h0.51; Bottom Overlay "4" at 45.01,13.735 h0.51
U81: PIN_NUMBER "3" at 42.109,15.204 h0.25 r180; PIN_NUMBER "5" at 42.499,14.964 h0.25 r180; PIN_NUMBER "1" at 41.728,14.95 h0.25 r180; PIN_NUMBER "4" at 42.499,15.444 h0.25 r180; PIN_NUMBER "2" at 41.719,15.444 h0.25 r180; Bottom Overlay "5" at 43.74,14.141 h0.51; Bottom Overlay "2" at 40.717,15.868 h0.51
U82: PIN_NUMBER "4" at 34.454,10.441 h0.25 r270; PIN_NUMBER "8" at 35.954,13.541 h0.25 r270; PIN_NUMBER "3" at 34.954,10.441 h0.25 r270; PIN_NUMBER "1" at 35.954,10.441 h0.25 r270; PIN_NUMBER "6" at 34.954,13.541 h0.25 r270; PIN_NUMBER "7" at 35.454,13.541 h0.25 r270; PIN_NUMBER "2" at 35.454,10.441 h0.25 r270; PIN_NUMBER "5" at 34.454,13.541 h0.25 r270; Bottom Overlay "8" at 36.831,13.658 h0.51; Bottom Overlay "5" at 34.367,13.506 h0.51; Bottom Overlay "4" at 34.545,9.349 h0.51
U83: PIN_NUMBER "6" at 54.82,12.307 h0.25 r180; PIN_NUMBER "5" at 54.82,12.707 h0.25 r180; PIN_NUMBER "3" at 53.72,12.307 h0.25 r180; PIN_NUMBER "1" at 53.72,11.507 h0.25 r180; PIN_NUMBER "4" at 53.72,12.707 h0.25 r180; PIN_NUMBER "2" at 53.72,11.908 h0.25 r180; PIN_NUMBER "7" at 54.82,11.908 h0.25 r180; PIN_NUMBER "8" at 54.82,11.507 h0.25 r180; Bottom Overlay "8" at 55.602,10.026 h0.51; Bottom Overlay "5" at 55.907,12.566 h0.51; Bottom Overlay "4" at 53.011,12.363 h0.51
U84: PIN_NUMBER "16" at 24.163,12.014 h0.25; PIN_NUMBER "1" at 25.389,12.303 h0.25 r90; PIN_NUMBER "10" at 26.122,10.741 h0.25 r90; PIN_NUMBER "11" at 25.722,10.741 h0.25 r90; PIN_NUMBER "3" at 26.223,12.341 h0.25 r90; PIN_NUMBER "7" at 26.893,11.214 h0.25; PIN_NUMBER "13" at 24.163,10.814 h0.25; PIN_NUMBER "4" at 26.624,12.341 h0.25 r90; PIN_NUMBER "2" at 25.824,12.341 h0.25 r90; PIN_NUMBER "15" at 24.163,11.614 h0.25; PIN_NUMBER "14" at 24.163,11.214 h0.25; PIN_NUMBER "6" at 26.893,11.614 h0.25; PIN_NUMBER "5" at 26.893,12.014 h0.25; PIN_NUMBER "9" at 26.624,10.741 h0.25 r90; PIN_NUMBER "12" at 25.322,10.741 h0.25 r90; PIN_NUMBER "8" at 26.893,10.814 h0.25; DISPLAY_BOTTOM "4" at -15.624,13.84 h0.64 r90; Bottom Overlay "8" at 28.348,10.462 h0.51; Bottom Overlay "5" at 28.297,11.355 h0.51; Bottom Overlay "16" at 24.373,11.922 h0.51; Bottom Overlay "13" at 24.373,10.652 h0.51; Bottom Overlay "12" at 24.948,8.849 h0.51 r270; Bottom Overlay "9" at 26.9,9.45 h0.51
U85: PIN_NUMBER "10" at 63.73,11.767 h0.25 r180; PIN_NUMBER "11" at 63.73,11.367 h0.25 r180; PIN_NUMBER "3" at 62.232,11.767 h0.25 r180; PIN_NUMBER "16" at 62.254,10.012 h0.25 r90; PIN_NUMBER "1" at 62.27,10.932 h0.25 r180; PIN_NUMBER "8" at 63.657,12.538 h0.25 r90; PIN_NUMBER "9" at 63.832,12.167 h0.25 r180; PIN_NUMBER "7" at 63.257,12.538 h0.25 r90; PIN_NUMBER "4" at 62.232,12.167 h0.25 r180; PIN_NUMBER "5" at 62.457,12.538 h0.25 r90; PIN_NUMBER "14" at 63.054,10.012 h0.25 r90; PIN_NUMBER "12" at 63.73,10.967 h0.25 r180; PIN_NUMBER "15" at 62.654,10.012 h0.25 r90; PIN_NUMBER "2" at 62.232,11.367 h0.25 r180; PIN_NUMBER "13" at 63.454,10.012 h0.25 r90; PIN_NUMBER "6" at 62.857,12.538 h0.25 r90; DISPLAY_BOTTOM "4" at 85.599,10.924 h0.64; Bottom Overlay "8" at 64.517,13.1 h0.51; Bottom Overlay "5" at 62.561,13.1 h0.51; Bottom Overlay "16" at 62.286,8.392 h0.64 r270; Bottom Overlay "13" at 63.378,8.443 h0.64 r270; Bottom Overlay "12" at 65.724,10.467 h0.64; Bottom Overlay "9" at 65.025,11.686 h0.64
U86: PIN_NUMBER "4" at 59.619,11.256 h0.25 r90; PIN_NUMBER "1" at 58.569,11.206 h0.25 r90; PIN_NUMBER "3" at 59.269,11.256 h0.25 r90; PIN_NUMBER "2" at 58.919,11.256 h0.25 r90; PIN_NUMBER "7" at 58.919,10.356 h0.25 r90; PIN_NUMBER "6" at 59.269,10.356 h0.25 r90; PIN_NUMBER "8" at 58.569,10.356 h0.25 r90; PIN_NUMBER "5" at 59.619,10.356 h0.25 r90; Bottom Overlay "8" at 58.624,9.594 h0.51; Bottom Overlay "5" at 60.275,9.772 h0.51; Bottom Overlay "4" at 59.945,11.855 h0.51
U87: PIN_NUMBER "5" at 9.498,8.588 h0.25 r90; PIN_NUMBER "4" at 9.473,13.066 h0.25 r90; PIN_NUMBER "8" at 7.529,8.573 h0.25 r90; PIN_NUMBER "2" at 8.173,13.066 h0.25 r90; PIN_NUMBER "1" at 7.523,13.066 h0.25 r90; PIN_NUMBER "3" at 8.823,13.066 h0.25 r90; PIN_NUMBER "7" at 8.198,8.588 h0.25 r90; PIN_NUMBER "6" at 8.848,8.588 h0.25 r90; Bottom Overlay "8" at 6.681,8.231 h0.51; Bottom Overlay "5" at 10.847,8.003 h0.51; Bottom Overlay "4" at 10.542,12.752 h0.51
U88: PIN_NUMBER "10" at 45.172,9.598 h0.25 r90; PIN_NUMBER "11" at 44.772,9.598 h0.25 r90; PIN_NUMBER "2" at 44.874,11.198 h0.25 r90; PIN_NUMBER "3" at 45.273,11.198 h0.25 r90; PIN_NUMBER "14" at 43.213,10.071 h0.25; PIN_NUMBER "8" at 45.943,9.671 h0.25; PIN_NUMBER "6" at 45.943,10.471 h0.25; PIN_NUMBER "4" at 45.674,11.198 h0.25 r90; PIN_NUMBER "5" at 45.943,10.871 h0.25; PIN_NUMBER "15" at 43.213,10.471 h0.25; PIN_NUMBER "7" at 45.943,10.071 h0.25; PIN_NUMBER "12" at 44.372,9.598 h0.25 r90; PIN_NUMBER "13" at 43.213,9.671 h0.25; PIN_NUMBER "9" at 45.674,9.598 h0.25 r90; PIN_NUMBER "1" at 44.439,11.16 h0.25 r90; PIN_NUMBER "16" at 43.213,10.871 h0.25; Bottom Overlay "8" at 47.017,9.493 h0.51; Bottom Overlay "5" at 47.144,10.737 h0.51; Bottom Overlay "16" at 43.55,10.779 h0.51; Bottom Overlay "13" at 43.499,9.645 h0.51; Bottom Overlay "12" at 44.625,8.341 h0.51 r270; Bottom Overlay "9" at 45.874,8.629 h0.51
U89: PIN_NUMBER "3" at 72.254,7.916 h0.25 r180; PIN_NUMBER "5" at 72.854,7.416 h0.25 r180; PIN_NUMBER "2" at 72.254,7.416 h0.25 r180; PIN_NUMBER "4" at 72.854,7.916 h0.25 r180; PIN_NUMBER "6" at 72.854,6.916 h0.25 r180; PIN_NUMBER "1" at 72.254,6.916 h0.25 r180; Bottom Overlay "6" at 73.788,6.521 h0.51; Bottom Overlay "3" at 72.163,8.426 h0.51; Bottom Overlay "4" at 73.712,7.613 h0.51
U90: PIN_NUMBER "2" at 28.97,6.898 h0.25 r270; PIN_NUMBER "5" at 28.97,7.498 h0.25 r270; PIN_NUMBER "1" at 29.47,6.923 h0.25 r270; PIN_NUMBER "6" at 29.47,7.498 h0.25 r270; PIN_NUMBER "4" at 28.47,7.498 h0.25 r270; PIN_NUMBER "3" at 28.47,6.898 h0.25 r270; Bottom Overlay "6" at 30.075,7.867 h0.51; Bottom Overlay "4" at 28.195,8.02 h0.51; Bottom Overlay "3" at 28.437,5.992 h0.51 r270
U91: PIN_NUMBER "3" at 35.701,6.711 h0.25; PIN_NUMBER "5" at 35.515,6.951 h0.25; PIN_NUMBER "1" at 36.286,6.965 h0.25; PIN_NUMBER "4" at 35.515,6.471 h0.25; PIN_NUMBER "2" at 36.295,6.471 h0.25; Bottom Overlay "5" at 34.774,7.613 h0.51; Bottom Overlay "2" at 37.594,6.076 h0.51
U92: PIN_NUMBER "1" at 20.766,5.573 h0.25 r180; PIN_NUMBER "10" at 22.227,6.408 h0.25 r180; PIN_NUMBER "11" at 22.227,6.008 h0.25 r180; PIN_NUMBER "16" at 20.751,4.652 h0.25 r90; PIN_NUMBER "3" at 20.728,6.408 h0.25 r180; PIN_NUMBER "8" at 22.154,7.179 h0.25 r90; PIN_NUMBER "4" at 20.728,6.808 h0.25 r180; PIN_NUMBER "2" at 20.728,6.008 h0.25 r180; PIN_NUMBER "5" at 20.954,7.179 h0.25 r90; PIN_NUMBER "14" at 21.55,4.652 h0.25 r90; PIN_NUMBER "6" at 21.354,7.179 h0.25 r90; PIN_NUMBER "15" at 21.151,4.652 h0.25 r90; PIN_NUMBER "7" at 21.754,7.179 h0.25 r90; PIN_NUMBER "13" at 21.95,4.652 h0.25 r90; PIN_NUMBER "9" at 22.328,6.808 h0.25 r180; PIN_NUMBER "12" at 22.227,5.608 h0.25 r180; DISPLAY_BOTTOM "4" at -7.771,6.267 h0.64 r180; Bottom Overlay "8" at 23.166,7.825 h0.51; Bottom Overlay "5" at 21.693,7.774 h0.51; Bottom Overlay "16" at 20.706,2.931 h0.51 r270; Bottom Overlay "13" at 21.799,2.906 h0.51 r270; Bottom Overlay "12" at 24.322,5.006 h0.51; Bottom Overlay "9" at 23.649,6.403 h0.51
U93: PIN_NUMBER "7" at 16.826,4.868 h0.25 r90; PIN_NUMBER "16" at 15.823,2.341 h0.25 r90; PIN_NUMBER "1" at 15.839,3.262 h0.25 r180; PIN_NUMBER "10" at 17.299,4.097 h0.25 r180; PIN_NUMBER "11" at 17.299,3.697 h0.25 r180; PIN_NUMBER "9" at 17.401,4.497 h0.25 r180; PIN_NUMBER "12" at 17.299,3.297 h0.25 r180; PIN_NUMBER "14" at 16.623,2.341 h0.25 r90; PIN_NUMBER "3" at 15.801,4.097 h0.25 r180; PIN_NUMBER "8" at 17.226,4.868 h0.25 r90; PIN_NUMBER "2" at 15.801,3.697 h0.25 r180; PIN_NUMBER "6" at 16.426,4.868 h0.25 r90; PIN_NUMBER "13" at 17.023,2.341 h0.25 r90; PIN_NUMBER "15" at 16.223,2.341 h0.25 r90; PIN_NUMBER "4" at 15.801,4.497 h0.25 r180; PIN_NUMBER "5" at 16.026,4.868 h0.25 r90; Bottom Overlay "8" at 17.527,5.454 h0.51; Bottom Overlay "5" at 16.486,5.48 h0.51; Bottom Overlay "16" at 15.821,1.229 h0.51 r270; Bottom Overlay "13" at 16.99,1.28 h0.51 r270; Bottom Overlay "12" at 18.81,2.889 h0.51; Bottom Overlay "9" at 18.391,4.159 h0.51; Bottom Overlay "4" at 15.14,5.149 h0.51
U94: PIN_NUMBER "1" at 42.746,1.373 h0.25 r270; PIN_NUMBER "5" at 40.746,1.373 h0.25 r270; PIN_NUMBER "6" at 40.746,3.473 h0.25 r270; PIN_NUMBER "11" at 41.645,2.423 h0.25 r270; PIN_NUMBER "10" at 42.645,3.473 h0.25 r270; PIN_NUMBER "8" at 41.746,3.473 h0.25 r270; PIN_NUMBER "4" at 41.246,1.373 h0.25 r270; PIN_NUMBER "2" at 42.246,1.373 h0.25 r270; PIN_NUMBER "3" at 41.746,1.373 h0.25 r270; PIN_NUMBER "7" at 41.246,3.473 h0.25 r270; PIN_NUMBER "9" at 42.246,3.473 h0.25 r270; Bottom Overlay "5" at 41.048,0.323 h0.51; Bottom Overlay "6" at 39.981,3.371 h0.51
U95: PIN_NUMBER "7" at 6.596,1.072 h0.25; PIN_NUMBER "3" at 7.612,0.437 h0.25; PIN_NUMBER "6" at 5.546,1.722 h0.25; PIN_NUMBER "4" at 5.546,0.422 h0.25; PIN_NUMBER "1" at 7.612,1.75 h0.25; PIN_NUMBER "2" at 7.612,1.072 h0.25; PIN_NUMBER "5" at 5.546,1.072 h0.25; Bottom Overlay "6" at 5.11,1.538 h0.51; Bottom Overlay "4" at 5.11,0.268 h0.51; Bottom Overlay "3" at 8.666,0.268 h0.51
U96: PIN_NUMBER "5" at 36.292,0.561 h0.25 r270; PIN_NUMBER "6" at 36.692,0.561 h0.25 r270; PIN_NUMBER "3" at 36.692,-0.538 h0.25 r270; PIN_NUMBER "1" at 37.492,-0.538 h0.25 r270; PIN_NUMBER "8" at 37.492,0.561 h0.25 r270; PIN_NUMBER "7" at 37.092,0.561 h0.25 r270; PIN_NUMBER "2" at 37.092,-0.538 h0.25 r270; PIN_NUMBER "4" at 36.292,-0.538 h0.25 r270; Bottom Overlay "8" at 37.51,1.044 h0.51 r270; Bottom Overlay "5" at 36.704,1.162 h0.51; Bottom Overlay "4" at 36.628,-1.632 h0.51
U97: PIN_NUMBER "16" at 23.477,-0.152 h0.25; PIN_NUMBER "10" at 25.436,-1.425 h0.25 r90; PIN_NUMBER "11" at 25.036,-1.425 h0.25 r90; PIN_NUMBER "1" at 24.703,0.137 h0.25 r90; PIN_NUMBER "3" at 25.538,0.175 h0.25 r90; PIN_NUMBER "2" at 25.138,0.175 h0.25 r90; PIN_NUMBER "4" at 25.938,0.175 h0.25 r90; PIN_NUMBER "5" at 26.207,-0.152 h0.25; PIN_NUMBER "15" at 23.477,-0.552 h0.25; PIN_NUMBER "14" at 23.477,-0.952 h0.25; PIN_NUMBER "13" at 23.477,-1.352 h0.25; PIN_NUMBER "12" at 24.636,-1.425 h0.25 r90; PIN_NUMBER "8" at 26.207,-1.352 h0.25; PIN_NUMBER "6" at 26.207,-0.552 h0.25; PIN_NUMBER "9" at 25.938,-1.425 h0.25 r90; PIN_NUMBER "7" at 26.207,-0.952 h0.25; DISPLAY_BOTTOM "4" at 25.808,-5.536 h0.64; Bottom Overlay "8" at 27.535,-1.522 h0.51; Bottom Overlay "5" at 27.586,-0.227 h0.51; Bottom Overlay "16" at 23.611,-0.151 h0.51; Bottom Overlay "13" at 23.687,-1.514 h0.51; Bottom Overlay "12" at 24.186,-3.343 h0.51 r270; Bottom Overlay "9" at 26.214,-2.691 h0.51
U99: PIN_NUMBER "1" at 16.485,131.424 h0.25; PIN_NUMBER "3" at 16.866,131.17 h0.25; PIN_NUMBER "5" at 17.256,131.41 h0.25; PIN_NUMBER "2" at 16.476,130.93 h0.25; PIN_NUMBER "4" at 17.256,130.93 h0.25; Top Overlay "5" at 18.174,131.551 h0.51; Top Overlay "2" at 15.507,130.408 h0.51
U100: PIN_NUMBER "7" at 39.731,132.821 h0.25 r270; PIN_NUMBER "14" at 43.53,127.021 h0.25 r270; PIN_NUMBER "3" at 42.331,132.821 h0.25 r270; PIN_NUMBER "13" at 42.88,127.021 h0.25 r270; PIN_NUMBER "12" at 42.23,127.021 h0.25 r270; PIN_NUMBER "5" at 41.031,132.821 h0.25 r270; PIN_NUMBER "6" at 40.381,132.821 h0.25 r270; PIN_NUMBER "9" at 40.381,127.021 h0.25 r270; PIN_NUMBER "10" at 40.93,127.021 h0.25 r270; PIN_NUMBER "1" at 43.631,132.821 h0.25 r270; PIN_NUMBER "2" at 42.981,132.821 h0.25 r270; PIN_NUMBER "11" at 41.58,127.021 h0.25 r270; PIN_NUMBER "4" at 41.681,132.821 h0.25 r270; PIN_NUMBER "8" at 39.731,127.021 h0.25 r270; Top Overlay "7" at 38.705,132.516 h0.64; Top Overlay "8" at 38.701,126.667 h0.64; Top Overlay "14" at 44.474,126.393 h0.64
U101: PIN_NUMBER "3" at 1.096,61.804 h0.25 r270; PIN_NUMBER "5" at 1.438,62.092 h0.25 r270; PIN_NUMBER "1" at 1.452,61.321 h0.25 r270; PIN_NUMBER "2" at 0.958,61.312 h0.25 r270; PIN_NUMBER "4" at 0.958,62.092 h0.25 r270; Bottom Overlay "5" at 2.144,62.877 h0.51; Bottom Overlay "2" at 0.522,61.021 h0.51
U102: PIN_NUMBER "3" at 7.63,55.958 h0.25 r180; PIN_NUMBER "5" at 5.231,54.058 h0.25 r180; PIN_NUMBER "1" at 7.63,54.058 h0.25 r180; PIN_NUMBER "2" at 7.63,55.008 h0.25 r180; PIN_NUMBER "4" at 5.231,55.958 h0.25 r180; Top Overlay "5" at 4.426,53.065 h0.51; Top Overlay "4" at 4.66,56.377 h0.51; Top Overlay "3" at 8.032,56.361 h0.51
U105: PIN_NUMBER "3" at 60.139,43.693 h0.25 r90; PIN_NUMBER "2" at 59.189,43.693 h0.25 r90; PIN_NUMBER "5" at 58.239,41.293 h0.25 r90; PIN_NUMBER "4" at 60.139,41.293 h0.25 r90; PIN_NUMBER "1" at 58.239,43.693 h0.25 r90; Bottom Overlay "5" at 57.619,40.312 h0.51; Bottom Overlay "4" at 60.489,39.931 h0.51; Bottom Overlay "3" at 61.124,43.969 h0.51
U106: PIN_NUMBER "4" at 62.853,26.254 h0.25; PIN_NUMBER "8" at 58.453,28.204 h0.25; PIN_NUMBER "1" at 62.853,28.204 h0.25; PIN_NUMBER "7" at 58.453,27.554 h0.25; PIN_NUMBER "6" at 58.453,26.904 h0.25; PIN_NUMBER "5" at 58.453,26.254 h0.25; PIN_NUMBER "2" at 62.853,27.554 h0.25; PIN_NUMBER "3" at 62.853,26.904 h0.25; Bottom Overlay "8" at 58.001,28.793 h0.64 r270; Bottom Overlay "5" at 57.112,25.491 h0.64 r270; Bottom Overlay "4" at 63.459,25.235 h0.64
U107: PIN_NUMBER "4" at 59.316,23.245 h0.25 r180; PIN_NUMBER "8" at 63.716,21.295 h0.25 r180; PIN_NUMBER "1" at 59.316,21.295 h0.25 r180; PIN_NUMBER "2" at 59.316,21.945 h0.25 r180; PIN_NUMBER "3" at 59.316,22.595 h0.25 r180; PIN_NUMBER "7" at 63.716,21.945 h0.25 r180; PIN_NUMBER "6" at 63.716,22.595 h0.25 r180; PIN_NUMBER "5" at 63.716,23.245 h0.25 r180; Bottom Overlay "8" at 63.036,19.746 h0.64 r270; Bottom Overlay "5" at 64.763,23.15 h0.64 r270; Bottom Overlay "4" at 58.997,23.581 h0.64 r270
U108: PIN_NUMBER "7" at 62.717,18.614 h0.25 r90; PIN_NUMBER "14" at 60.114,24.541 h0.25 r90; PIN_NUMBER "6" at 62.318,18.614 h0.25 r90; PIN_NUMBER "8" at 62.661,24.435 h0.25 r90; PIN_NUMBER "10" at 61.714,24.541 h0.25 r90; PIN_NUMBER "12" at 60.914,24.541 h0.25 r90; PIN_NUMBER "1" at 60.318,18.614 h0.25 r90; PIN_NUMBER "3" at 61.117,18.614 h0.25 r90; PIN_NUMBER "5" at 61.918,18.614 h0.25 r90; PIN_NUMBER "9" at 62.28,24.435 h0.25 r90; PIN_NUMBER "11" at 61.314,24.541 h0.25 r90; PIN_NUMBER "13" at 60.514,24.541 h0.25 r90; PIN_NUMBER "2" at 60.717,18.614 h0.25 r90; PIN_NUMBER "4" at 61.518,18.614 h0.25 r90; Top Overlay "14" at 59.727,23.622 h0.64 r90; Top Overlay "8" at 63.081,24.5 h0.64; Top Overlay "7" at 62.979,17.184 h0.64
U109: PIN_NUMBER "4" at 57.879,18.271 h0.25; PIN_NUMBER "6" at 56.979,18.621 h0.25; PIN_NUMBER "3" at 57.879,18.621 h0.25; PIN_NUMBER "8" at 56.979,19.321 h0.25; PIN_NUMBER "1" at 57.829,19.321 h0.25; PIN_NUMBER "7" at 56.979,18.971 h0.25; PIN_NUMBER "2" at 57.879,18.971 h0.25; PIN_NUMBER "5" at 56.979,18.271 h0.25; Bottom Overlay "8" at 57.213,19.66 h0.51; Bottom Overlay "4" at 58.839,17.856 h0.51
Y1: PIN_NUMBER "1" at 19.45,86.096 h0.25 r270; PIN_NUMBER "2" at 19.45,83.596 h0.25 r270
Y2: PIN_NUMBER "2" at 55.68,17.788 h0.25; PIN_NUMBER "4" at 54.33,18.788 h0.25; PIN_NUMBER "1" at 54.33,17.788 h0.25; PIN_NUMBER "3" at 55.68,18.788 h0.25; Top Overlay "4" at 53.697,19.99 h0.64; Top Overlay "3" at 55.805,19.939 h0.64; Top Overlay "2" at 56.669,16.757 h0.64
Y3: PIN_NUMBER "4" at 9.257,10.423 h0.25 r270; PIN_NUMBER "2" at 7.057,6.723 h0.25 r270; PIN_NUMBER "3" at 9.257,6.723 h0.25 r270; PIN_NUMBER "1" at 7.057,10.423 h0.25 r270; Top Overlay "4" at 9.359,11.739 h0.64; Top Overlay "3" at 9.348,4.828 h0.64; Top Overlay "2" at 6.732,4.802 h0.64
Y4: PIN_NUMBER "4" at 17.176,87.143 h0.25 r270; PIN_NUMBER "2" at 16.176,88.493 h0.25 r270; PIN_NUMBER "3" at 17.176,88.493 h0.25 r270; PIN_NUMBER "1" at 16.176,87.143 h0.25 r270; Bottom Overlay "4" at 18.061,85.642 h0.51; Bottom Overlay "3" at 17.959,89.63 h0.51; Bottom Overlay "2" at 15.368,88.512 h0.51